# Altium PCB 10515.0500_Display_System（6拼版）_V1.0_20200907.PcbDoc (part 7 of 13) (continued)
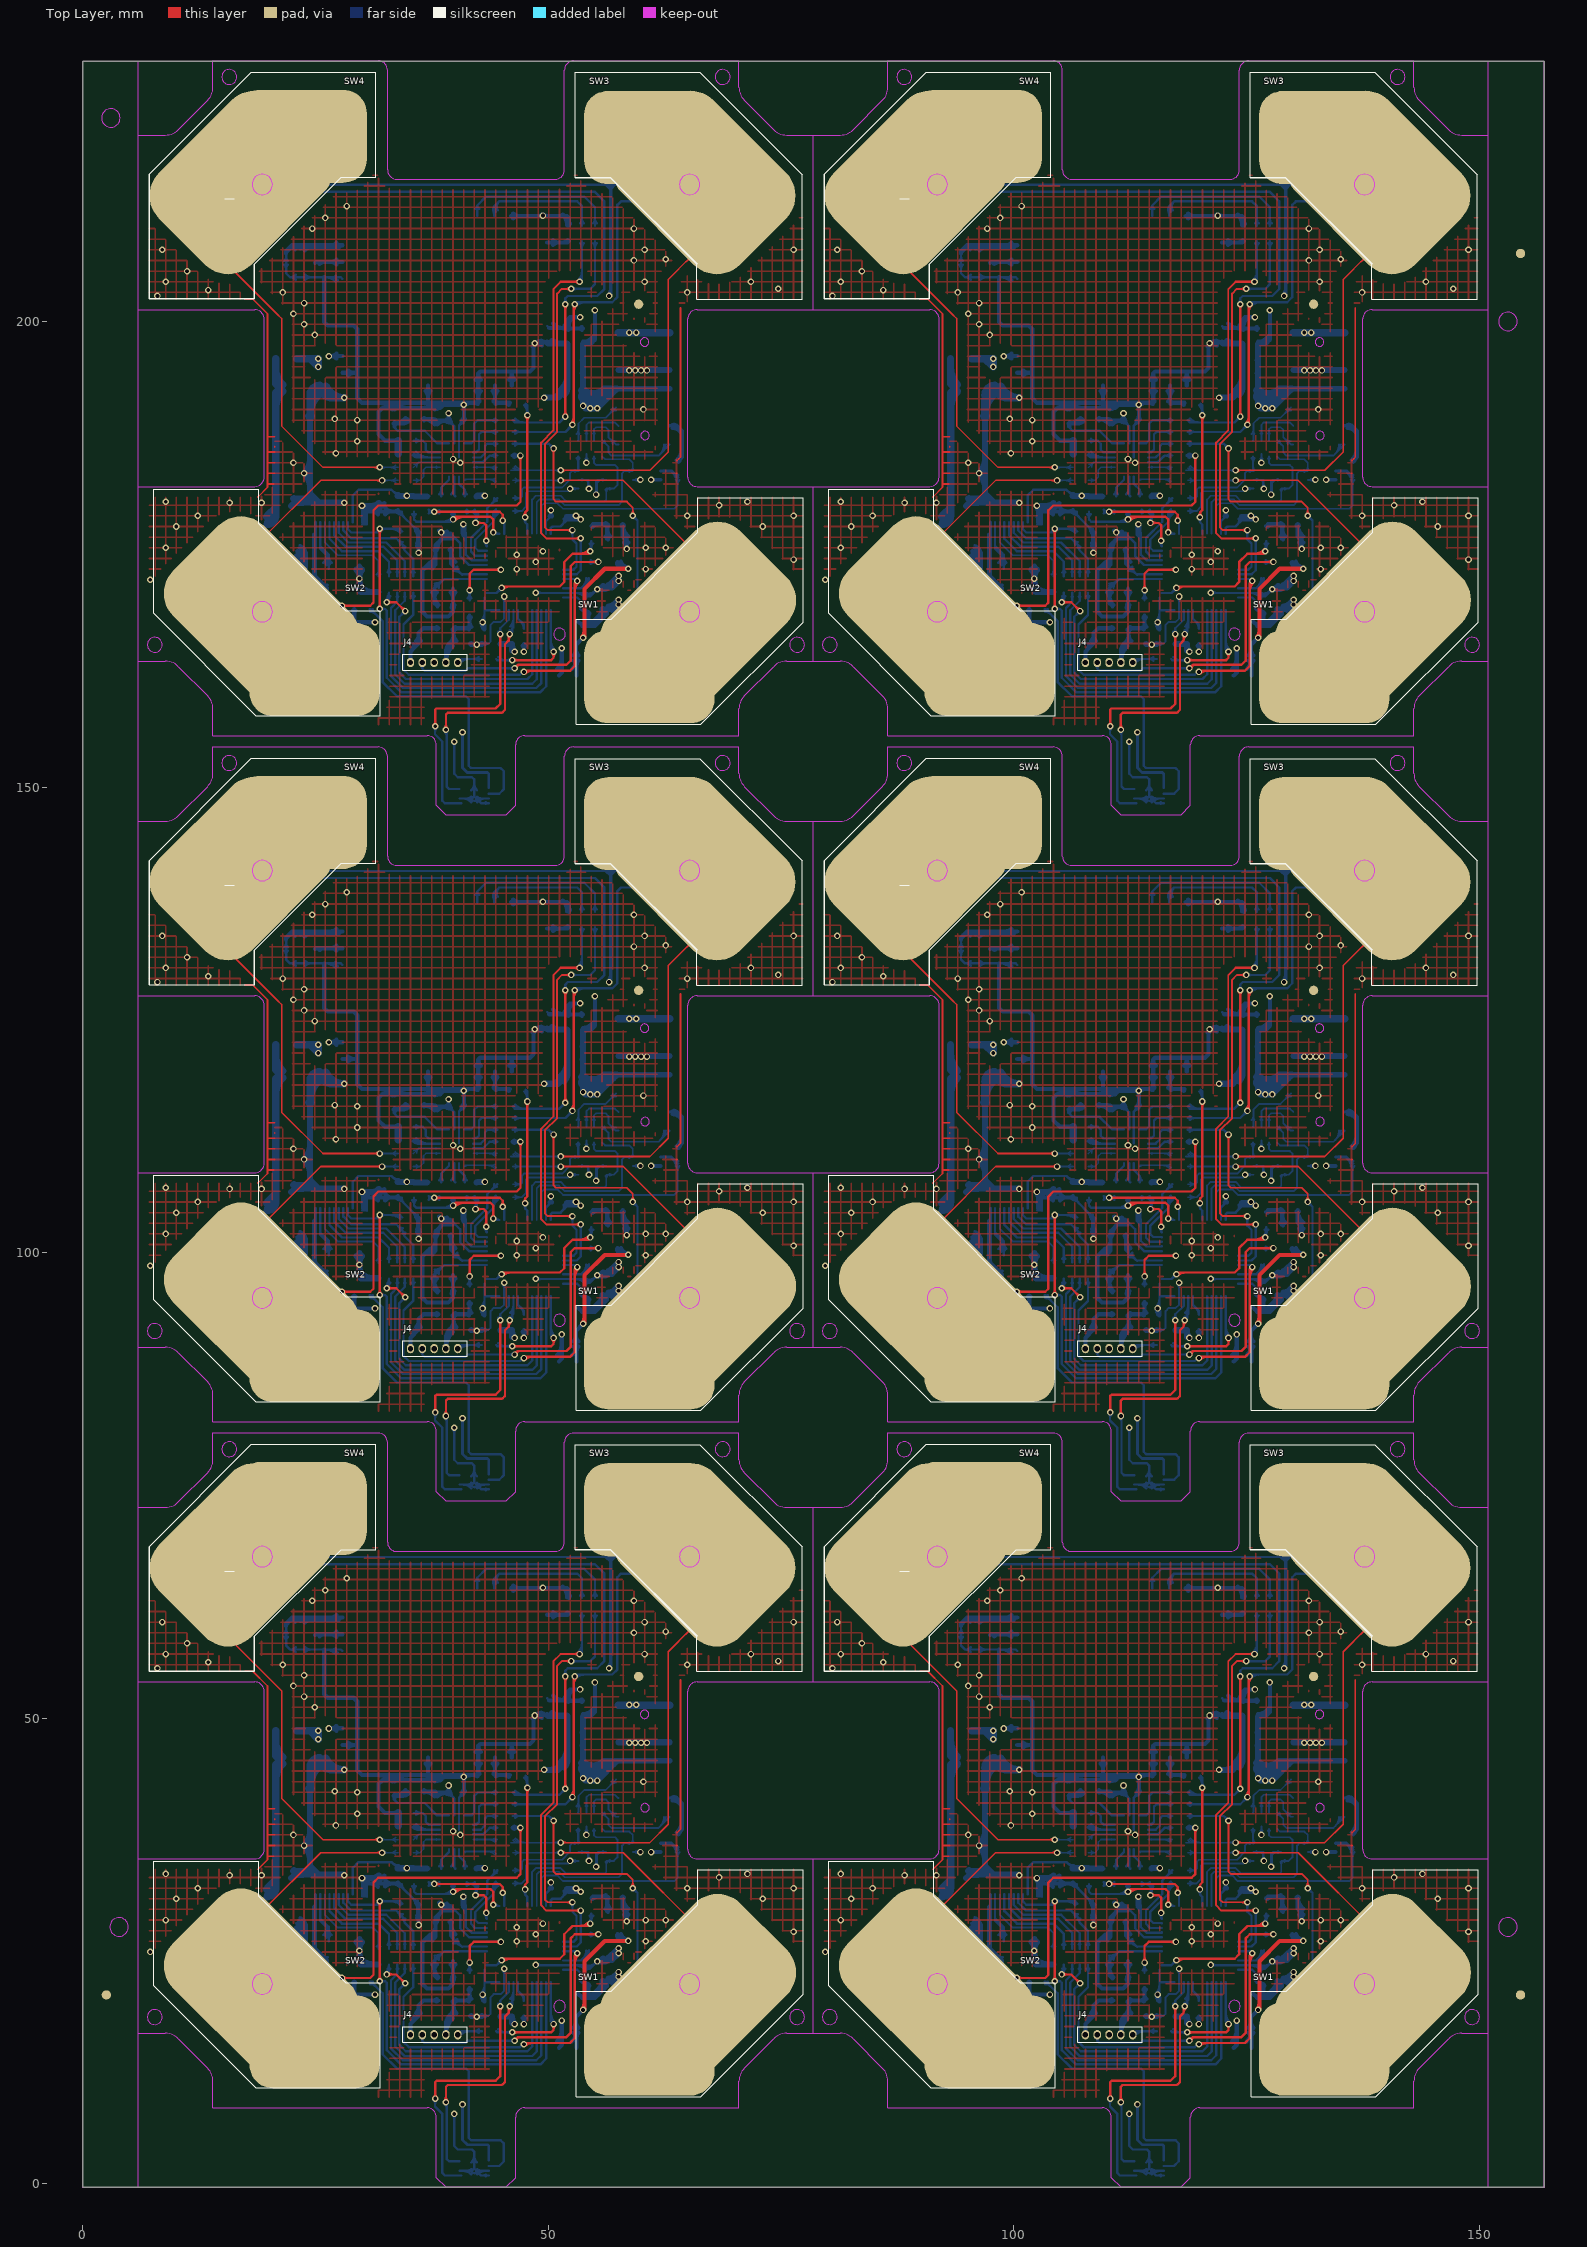
[diagram p0: Top Layer view]
## Nets (pads, with @x,y where several pads share a name; then routed paths per layer and width w, separated by ;. In a path a pad name is that pad's centre, name@x,y a point inside that pad or via, vN(x,y) a via of type N, cw(c..) or ccw(c..) an arc to the next point about the centre after c; other vN are vias at no path point) (continued)
62.178,21.463 ccw(c62.178,22.694) 63.049,21.824 ; 63.049,66.949 ccw(c62.178,66.079) 62.178,67.31 ccw(c62.178,68.541) 63.049,67.671 ; 63.049,94.802 ccw(c62.178,93.932) 62.178,95.163 ccw(c62.178,96.394) 63.049,95.524 ; 63.049,140.649 ccw(c62.178,139.779) 62.178,141.01 ccw(c62.178,142.241) 63.049,141.371 ; 63.049,168.502 ccw(c62.178,167.632) 62.178,168.863 ccw(c62.178,170.094) 63.049,169.224 ; 63.049,214.349 ccw(c62.178,213.479) 62.178,214.71 ccw(c62.178,215.941) 63.049,215.071 ; 63.282,21.463 58.583,21.463 ; 63.282,95.163 58.583,95.163 ; 63.282,168.863 58.583,168.863 ; 63.409,67.31 56.805,67.31 ; 63.409,141.01 56.805,141.01 ; 63.409,214.71 56.805,214.71 ; 66.605,21.951 ccw(c65.734,22.821) 66.965,22.821 ccw(c68.197,22.821) 67.326,21.951 ; 66.605,95.651 ccw(c65.734,96.521) 66.965,96.521 ccw(c68.197,96.521) 67.326,95.651 ; 66.605,169.351 ccw(c65.734,170.221) 66.965,170.221 ccw(c68.197,170.221) 67.326,169.351 ; 66.661,66.774 cw(c66.208,66.167) 66.965,66.167 ; 66.661,140.474 cw(c66.208,139.867) 66.965,139.867 ; 66.661,214.174 cw(c66.208,213.567) 66.965,213.567 ; 66.965,67.31 66.965,66.167 ; 66.965,141.01 66.965,139.867 ; 66.965,214.71 66.965,213.567 ; 67.27,66.774 ccw(c67.722,66.167) 66.965,66.167 ; 67.27,140.474 ccw(c67.722,139.867) 66.965,139.867 ; 67.27,214.174 ccw(c67.722,213.567) 66.965,213.567 ; 89.935,66.929 89.935,68.072 90.697,68.834 94.634,68.834 ; 89.935,140.629 89.935,141.772 90.697,142.534 94.634,142.534 ; 89.935,214.329 89.935,215.472 90.697,216.234 94.634,216.234 ; 93.491,21.463 99.714,21.463 v1(100.349,22.098) ; 93.491,66.929 93.872,66.929 94.253,66.548 127.527,66.548 128.543,65.532 128.543,56.134 127.781,55.372 124.606,55.372 124.352,55.118 v1(124.352,54.483) ; 93.491,95.163 99.714,95.163 v1(100.349,95.798) ; 93.491,140.629 93.872,140.629 94.253,140.248 127.527,140.248 128.543,139.232 128.543,129.834 127.781,129.072 124.606,129.072 124.352,128.818 v1(124.352,128.183) ; 93.491,168.863 99.714,168.863 v1(100.349,169.498) ; 93.491,214.329 93.872,214.329 94.253,213.948 127.527,213.948 128.543,212.932 128.543,203.534 127.781,202.772 124.606,202.772 124.352,202.518 v1(124.352,201.883) ; 93.608,66.686 cw(c93.781,65.949) 94.317,66.485 ; 93.608,140.386 cw(c93.781,139.649) 94.317,140.185 ; 93.608,214.086 cw(c93.781,213.349) 94.317,213.885 ; 93.852,21.102 cw(c94.723,20.232) 94.723,21.463 cw(c94.723,22.694) 93.852,21.824 ; 93.852,94.802 cw(c94.723,93.932) 94.723,95.163 cw(c94.723,96.394) 93.852,95.524 ; 93.852,168.502 cw(c94.723,167.632) 94.723,168.863 cw(c94.723,170.094) 93.852,169.224 ; 94.001,67.183 ccw(c94.926,67.183) 94.272,66.529 ; 94.001,140.883 ccw(c94.926,140.883) 94.272,140.229 ; 94.001,214.583 ccw(c94.926,214.583) 94.272,213.929 ; 94.16,58.734 cw(c93.69,58.264) 94.354,58.264 cw(c95.018,58.264) 94.549,58.734 ; 94.16,59.122 ccw(c93.69,59.592) 94.354,59.592 ccw(c95.018,59.592) 94.549,59.122 ; 94.16,132.434 cw(c93.69,131.964) 94.354,131.964 cw(c95.018,131.964) 94.549,132.434 ; 94.16,132.822 ccw(c93.69,133.292) 94.354,133.292 ccw(c95.018,133.292) 94.549,132.822 ; 94.16,206.134 cw(c93.69,205.664) 94.354,205.664 cw(c95.018,205.664) 94.549,206.134 ; 94.16,206.522 ccw(c93.69,206.992) 94.354,206.992 ccw(c95.018,206.992) 94.549,206.522 ; 95.352,60.256 ccw(c94.914,59.935) 94.914,60.478 ; 95.352,60.7 cw(c94.914,61.021) 94.914,60.478 ; 95.352,133.956 ccw(c94.914,133.635) 94.914,134.178 ; 95.352,134.4 cw(c94.914,134.721) 94.914,134.178 ; 95.352,207.656 ccw(c94.914,207.335) 94.914,207.878 ; 95.352,208.1 cw(c94.914,208.421) 94.914,207.878 ; 95.381,57.121 ccw(c94.787,56.563) 94.787,57.378 ; 95.381,57.635 cw(c94.787,58.193) 94.787,57.378 ; 95.381,130.821 ccw(c94.787,130.263) 94.787,131.078 ; 95.381,131.335 cw(c94.787,131.893) 94.787,131.078 ; 95.381,204.521 ccw(c94.787,203.963) 94.787,204.778 ; 95.381,205.035 cw(c94.787,205.593) 94.787,204.778 ; 96.412,67.31 94.888,68.834 94.634,68.834 ; 96.412,141.01 94.888,142.534 94.634,142.534 ; 96.412,214.71 94.888,216.234 94.634,216.234 ; 96.419,57.113 cw(c97.06,56.473) 97.06,57.378 cw(c97.06,58.283) 96.419,57.643 ; 96.419,60.213 cw(c97.06,59.573) 97.06,60.478 cw(c97.06,61.383) 96.419,60.743 ; 96.419,130.813 cw(c97.06,130.173) 97.06,131.078 cw(c97.06,131.983) 96.419,131.343 ; 96.419,133.913 cw(c97.06,133.273) 97.06,134.178 cw(c97.06,135.083) 96.419,134.443 ; 96.419,204.513 cw(c97.06,203.873) 97.06,204.778 cw(c97.06,205.683) 96.419,205.043 ; 96.419,207.613 cw(c97.06,206.973) 97.06,207.878 cw(c97.06,208.783) 96.419,208.143 ; 97.508,31.076 97.508,25.32 98.546,24.282 98.8,24.282 ; 97.508,104.776 97.508,99.02 98.546,97.982 98.8,97.982 ; 97.508,178.476 97.508,172.72 98.546,171.682 98.8,171.682 ; 97.518,25.31 cw(c95.932,23.724) 98.175,23.724 ; 97.518,99.01 cw(c95.932,97.424) 98.175,97.424 ; 97.518,172.71 cw(c95.932,171.124) 98.175,171.124 ; 97.682,45.466 98.088,45.466 ; 97.682,119.166 98.088,119.166 ; 97.682,192.866 98.088,192.866 ; 97.945,24.883 cw(c96.785,23.724) 98.425,23.724 ; 97.945,98.583 cw(c96.785,97.424) 98.425,97.424 ; 97.945,172.283 cw(c96.785,171.124) 98.425,171.124 ; 98.008,31.076 98.008,28.503 ; 98.008,104.776 98.008,102.203 ; 98.008,178.476 98.008,175.903 ; 98.09,60.478 ccw(c98.09,62.772) 99.712,61.15 ; 98.09,134.178 ccw(c98.09,136.472) 99.712,134.85 ; 98.09,207.878 ccw(c98.09,210.172) 99.712,208.55 ; 98.253,24.575 ccw(c98.8,25.123) 98.8,24.349 ; 98.253,98.275 ccw(c98.8,98.823) 98.8,98.049 ; 98.253,171.975 ccw(c98.8,172.523) 98.8,171.749 ; 98.358,26.706 ccw(c97.538,27.526) 98.698,27.526 ; 98.358,100.406 ccw(c97.538,101.226) 98.698,101.226 ; 98.358,174.106 ccw(c97.538,174.926) 98.698,174.926 ; 98.372,24.457 cw(c97.639,23.724) 98.675,23.724 ; 98.372,98.157 cw(c97.639,97.424) 98.675,97.424 ; 98.372,171.857 cw(c97.639,171.124) 98.675,171.124 ; 98.506,26.815 ccw(c98.109,27.559) 98.952,27.559 ; 98.506,57.378 cw(c98.506,55.671) 99.712,56.878 ; 98.506,100.515 ccw(c98.109,101.259) 98.952,101.259 ; 98.506,131.078 cw(c98.506,129.371) 99.712,130.578 ; 98.506,174.215 ccw(c98.109,174.959) 98.952,174.959 ; 98.506,204.778 cw(c98.506,203.071) 99.712,204.278 ; 98.624,26.594 ccw(c98.331,27.142) 98.952,27.142 ; 98.624,100.294 ccw(c98.331,100.842) 98.952,100.842 ; 98.624,173.994 ccw(c98.331,174.542) 98.952,174.542 ; 98.694,60.478 ccw(c98.694,62.168) 99.889,60.973 ; 98.694,134.178 ccw(c98.694,135.868) 99.889,134.673 ; 98.694,207.878 ccw(c98.694,209.568) 99.889,208.373 ; 98.698,26.416 98.698,27.813 ; 98.698,27.28 ccw(c99.645,27.28) 99.04,26.552 ; 98.698,27.559 98.008,28.249 98.008,28.503 ; 98.698,100.116 98.698,101.513 ; 98.698,100.98 ccw(c99.645,100.98) 99.04,100.252 ; 98.698,101.259 98.008,101.949 98.008,102.203 ; 98.698,173.816 98.698,175.213 ; 98.698,174.68 ccw(c99.645,174.68) 99.04,173.952 ; 98.698,174.959 98.008,175.649 98.008,175.903 ; 98.952,26.035 98.952,27.559 ; 98.952,27.406 ccw(c99.942,27.406) 99.242,26.706 ; 98.952,99.735 98.952,101.259 ; 98.952,101.106 ccw(c99.942,101.106) 99.242,100.406 ; 98.952,173.435 98.952,174.959 ; 98.952,174.806 ccw(c99.942,174.806) 99.242,174.106 ; 99.008,31.076 99.008,29.281 100.349,27.94 104.286,27.94 105.399,26.827 105.399,25.249 ; 99.008,104.776 99.008,102.981 100.349,101.64 104.286,101.64 105.399,100.527 105.399,98.949 ; 99.008,178.476 99.008,176.681 100.349,175.34 104.286,175.34 105.399,174.227 105.399,172.649 ; 99.109,57.378 cw(c99.109,56.275) 99.889,57.055 ; 99.109,131.078 cw(c99.109,129.975) 99.889,130.755 ; 99.109,204.778 cw(c99.109,203.675) 99.889,204.455 ; 99.2,26.744 cw(c100.088,27.813) 98.698,27.813 ; 99.2,100.444 cw(c100.088,101.513) 98.698,101.513 ; 99.2,174.144 cw(c100.088,175.213) 98.698,175.213 ; 99.297,57.378 ccw(c99.297,57.965) 99.712,57.55 ; 99.297,60.478 ccw(c99.297,61.565) 100.066,60.796 ; 99.297,131.078 ccw(c99.297,131.665) 99.712,131.25 ; 99.297,134.178 ccw(c99.297,135.265) 100.066,134.496 ; 99.297,204.778 ccw(c99.297,205.365) 99.712,204.95 ; 99.297,207.878 ccw(c99.297,208.965) 100.066,208.196 ; 99.508,31.076 99.508,29.67 100.73,28.448 104.794,28.448 106.299,26.943 106.299,25.249 ; 99.508,104.776 99.508,103.37 100.73,102.148 104.794,102.148 106.299,100.643 106.299,98.949 ; 99.508,178.476 99.508,177.07 100.73,175.848 104.794,175.848 106.299,174.343 106.299,172.649 ; 100.008,31.076 100.008,29.932 101.042,28.898 105.106,28.898 107.099,26.905 107.099,25.249 ; 100.008,104.776 100.008,103.632 101.042,102.598 105.106,102.598 107.099,100.605 107.099,98.949 ; 100.008,178.476 100.008,177.332 101.042,176.298 105.106,176.298 107.099,174.305 107.099,172.649 ; v1@100.124,22.098 cw(c99.581,22.098) 99.965,21.714 cw(c100.349,21.33) v1@100.349,21.873 ; v1@100.124,95.798 cw(c99.581,95.798) 99.965,95.414 cw(c100.349,95.03) v1@100.349,95.573 ; v1@100.124,169.498 cw(c99.581,169.498) 99.965,169.114 cw(c100.349,168.73) v1@100.349,169.273 ; 100.312,58.928 100.398,59.014 ; 100.312,132.628 100.398,132.714 ; 100.312,206.328 100.398,206.414 ; 100.398,57.214 100.234,57.378 98.444,57.378 95.904,57.378 94.787,57.378 ; 100.398,60.814 100.062,60.478 95.904,60.478 94.914,60.478 ; 100.398,130.914 100.234,131.078 98.444,131.078 95.904,131.078 94.787,131.078 ; 100.398,134.514 100.062,134.178 95.904,134.178 94.914,134.178 ; 100.398,204.614 100.234,204.778 98.444,204.778 95.904,204.778 94.787,204.778 ; 100.398,208.214 100.062,207.878 95.904,207.878 94.914,207.878 ; 100.508,31.076 100.508,30.18 101.34,29.348 106.18,29.348 107.08,28.448 107.08,28.067 107.999,27.148 107.999,25.249 ; 100.508,104.776 100.508,103.88 101.34,103.048 106.18,103.048 107.08,102.148 107.08,101.767 107.999,100.848 107.999,98.949 ; 100.508,178.476 100.508,177.58 101.34,176.748 106.18,176.748 107.08,175.848 107.08,175.467 107.999,174.548 107.999,172.649 ; 101.008,31.076 101.008,30.316 101.353,29.972 104.032,29.972 ; 101.008,104.776 101.008,104.016 101.353,103.672 104.032,103.672 ; 101.008,178.476 101.008,177.716 101.353,177.372 104.032,177.372 ; 101.508,31.076 101.508,33.925 102.127,34.544 105.683,34.544 106.344,33.884 ; 101.508,104.776 101.508,107.625 102.127,108.244 105.683,108.244 106.344,107.584 ; 101.508,178.476 101.508,181.325 102.127,181.944 105.683,181.944 106.344,181.284 ; v1@102.451,32.608 cw(c102.344,32.204) 102.762,32.204 ; v1@102.451,106.308 cw(c102.344,105.904) 102.762,105.904 ; v1@102.451,180.008 cw(c102.344,179.604) 102.762,179.604 ; 102.497,31.598 ccw(c102.267,32.037) 102.762,32.037 ; 102.497,105.298 ccw(c102.267,105.737) 102.762,105.737 ; 102.497,178.998 ccw(c102.267,179.437) 102.762,179.437 ; 102.508,30.861 103.016,30.861 ; v1@102.508,32.601 cw(c102.508,32.058) 102.892,32.442 cw(c103.276,32.826) v1@102.733,32.826 ; v1(102.508,32.826) 102.508,31.076 ; 102.508,104.561 103.016,104.561 ; v1@102.508,106.301 cw(c102.508,105.758) 102.892,106.142 cw(c103.276,106.526) v1@102.733,106.526 ; v1(102.508,106.526) 102.508,104.776 ; 102.508,178.261 103.016,178.261 ; v1@102.508,180.001 cw(c102.508,179.458) 102.892,179.842 cw(c103.276,180.226) v1@102.733,180.226 ; v1(102.508,180.226) 102.508,178.476 ; v1@102.515,32.85 cw(c102.43,32.529) 102.762,32.529 ; v1@102.515,106.55 cw(c102.43,106.229) 102.762,106.229 ; v1@102.515,180.25 cw(c102.43,179.929) 102.762,179.929 ; 102.517,31.053 cw(c102.648,30.708) 102.909,30.969 ; 102.517,104.753 cw(c102.648,104.408) 102.909,104.669 ; 102.517,178.453 cw(c102.648,178.108) 102.909,178.369 ; v1@102.526,32.844 cw(c102.168,32.486) 102.674,32.486 ; v1@102.526,106.544 cw(c102.168,106.186) 102.674,106.186 ; v1@102.526,180.244 cw(c102.168,179.886) 102.674,179.886 ; 102.613,31.377 ccw(c102.483,31.624) 102.762,31.624 ; 102.613,105.077 ccw(c102.483,105.324) 102.762,105.324 ; 102.613,178.777 ccw(c102.483,179.024) 102.762,179.024 ; v1@102.667,32.667 ccw(c103.051,32.283) 102.508,32.283 ccw(c101.965,32.283) 102.349,32.667 cw(c101.564,31.882) 102.674,31.882 ; v1@102.667,106.367 ccw(c103.051,105.983) 102.508,105.983 ccw(c101.965,105.983) 102.349,106.367 cw(c101.564,105.582) 102.674,105.582 ; v1@102.667,180.067 ccw(c103.051,179.683) 102.508,179.683 ccw(c101.965,179.683) 102.349,180.067 cw(c101.564,179.282) 102.674,179.282 ; 102.674,31.434 cw(c102.651,31.434) 102.667,31.417 ccw(c102.438,31.646) 102.762,31.646 ; 102.674,32.037 cw(c102.047,32.037) 102.491,31.594 ccw(c101.835,32.25) 102.762,32.25 ; 102.674,105.134 cw(c102.651,105.134) 102.667,105.117 ccw(c102.438,105.346) 102.762,105.346 ; 102.674,105.737 cw(c102.047,105.737) 102.491,105.294 ccw(c101.835,105.95) 102.762,105.95 ; 102.674,178.834 cw(c102.651,178.834) 102.667,178.817 ccw(c102.438,179.046) 102.762,179.046 ; 102.674,179.437 cw(c102.047,179.437) 102.491,178.994 ccw(c101.835,179.65) 102.762,179.65 ; 102.729,31.155 ccw(c102.699,31.211) 102.762,31.211 ; 102.729,104.855 ccw(c102.699,104.911) 102.762,104.911 ; 102.729,178.555 ccw(c102.699,178.611) 102.762,178.611 ; 102.762,32.004 103.397,32.639 ; 102.762,105.704 103.397,106.339 ; 102.762,179.404 103.397,180.039 ; 102.834,30.916 ccw(c102.508,30.59) 102.508,31.051 cw(c102.508,30.283) 103.051,30.826 ; 102.834,104.616 ccw(c102.508,104.29) 102.508,104.751 cw(c102.508,103.983) 103.051,104.526 ; 102.834,178.316 ccw(c102.508,177.99) 102.508,178.451 cw(c102.508,177.683) 103.051,178.226 ; 102.889,32.258 102.889,30.861 102.674,31.076 ; 102.889,105.958 102.889,104.561 102.674,104.776 ; 102.889,179.658 102.889,178.261 102.674,178.476 ; 103.016,32.318 102.762,32.572 ; 103.016,32.826 103.016,30.861 ; 103.016,106.018 102.762,106.272 ; 103.016,106.526 103.016,104.561 ; 103.016,179.718 102.762,179.972 ; 103.016,180.226 103.016,178.261 ; 103.143,32.639 102.762,32.258 ; 103.143,106.339 102.762,105.958 ; 103.143,180.039 102.762,179.658 ; 103.334,21.717 103.463,21.717 104.725,20.455 104.725,13.912 106.271,12.366 113.684,12.366 113.978,12.072 113.978,4.913 114.225,4.666 117.4,4.666 117.748,4.318 117.748,2.413 117.24,1.905 116.13,1.905 ; 103.334,95.417 103.463,95.417 104.725,94.155 104.725,87.612 106.271,86.066 113.684,86.066 113.978,85.772 113.978,78.613 114.225,78.366 117.4,78.366 117.748,78.018 117.748,76.113 117.24,75.605 116.13,75.605 ; 103.334,169.117 103.463,169.117 104.725,167.855 104.725,161.312 106.271,159.766 113.684,159.766 113.978,159.472 113.978,152.313 114.225,152.066 117.4,152.066 117.748,151.718 117.748,149.813 117.24,149.305 116.13,149.305 ; 103.372,21.436 cw(c103.372,20.537) 104.008,21.172 ; 103.372,95.136 cw(c103.372,94.237) 104.008,94.872 ; 103.372,168.836 cw(c103.372,167.937) 104.008,168.572 ; 103.653,21.717 ccw(c104.113,21.717) 103.788,21.392 ; 103.653,95.417 ccw(c104.113,95.417) 103.788,95.092 ; 103.653,169.117 ccw(c104.113,169.117) 103.788,168.792 ; v1@104.188,30.352 cw(c103.656,30.349) 104.032,29.972 ; v1@104.188,104.052 cw(c103.656,104.049) 104.032,103.672 ; v1@104.188,177.752 cw(c103.656,177.749) 104.032,177.372 ; v1@104.305,30.156 cw(c104.203,29.972) 104.413,29.972 ; v1@104.305,103.856 cw(c104.203,103.672) 104.413,103.672 ; v1@104.305,177.556 cw(c104.203,177.372) 104.413,177.372 ; v1@104.412,30.128 ccw(c104.409,29.595) 104.032,29.972 ; v1@104.412,103.828 ccw(c104.409,103.295) 104.032,103.672 ; v1@104.412,177.528 ccw(c104.409,176.995) 104.032,177.372 ; v1(104.413,21.752) 105.013,21.752 105.175,21.59 105.175,14.351 106.71,12.816 121.674,12.816 122.299,13.44 122.299,21.598 122.274,21.623 ; v1(104.413,95.452) 105.013,95.452 105.175,95.29 105.175,88.051 106.71,86.516 121.674,86.516 122.299,87.14 122.299,95.298 122.274,95.323 ; v1(104.413,169.152) 105.013,169.152 105.175,168.99 105.175,161.751 106.71,160.216 121.674,160.216 122.299,160.84 122.299,168.998 122.274,169.023 ; v1@104.522,30.156 ccw(c104.623,29.972) 104.413,29.972 ; v1@104.522,103.856 ccw(c104.623,103.672) 104.413,103.672 ; v1@104.522,177.556 ccw(c104.623,177.372) 104.413,177.372 ; v1@104.572,21.593 cw(c104.956,21.209) 104.956,21.752 cw(c104.956,22.296) v1@104.572,21.912 ; v1@104.572,30.194 cw(c104.956,29.81) 104.956,30.353 cw(c104.956,30.896) v1@104.572,30.512 ; v1@104.572,95.293 cw(c104.956,94.909) 104.956,95.452 cw(c104.956,95.996) v1@104.572,95.612 ; v1@104.572,103.894 cw(c104.956,103.51) 104.956,104.053 cw(c104.956,104.596) v1@104.572,104.212 ; v1@104.572,168.993 cw(c104.956,168.609) 104.956,169.152 cw(c104.956,169.696) v1@104.572,169.312 ; v1@104.572,177.594 cw(c104.956,177.21) 104.956,177.753 cw(c104.956,178.296) v1@104.572,177.912 ; 104.794,30.353 104.413,29.972 ; 104.794,104.053 104.413,103.672 ; 104.794,177.753 104.413,177.372 ; v1@105.021,22.643 ccw(c104.195,23.519) 105.399,23.519 105.399,22.703 v1(105.175,22.479) ; v1@105.021,96.343 ccw(c104.195,97.219) 105.399,97.219 105.399,96.403 v1(105.175,96.179) ; v1@105.021,170.043 ccw(c104.195,170.919) 105.399,170.919 105.399,170.103 v1(105.175,169.879) ; v1@105.192,22.461 ccw(c104.741,22.94) 105.399,22.94 ; v1@105.192,96.161 ccw(c104.741,96.64) 105.399,96.64 ; v1@105.192,169.861 ccw(c104.741,170.34) 105.399,170.34 ; 105.24,23.11 cw(c104.856,22.726) 105.399,22.726 cw(c105.942,22.726) 105.558,23.11 ; 105.24,25.658 ccw(c104.856,26.042) 105.399,26.042 ccw(c105.942,26.042) 105.558,25.658 ; 105.24,96.81 cw(c104.856,96.426) 105.399,96.426 cw(c105.942,96.426) 105.558,96.81 ; 105.24,99.358 ccw(c104.856,99.742) 105.399,99.742 ccw(c105.942,99.742) 105.558,99.358 ; 105.24,170.51 cw(c104.856,170.126) 105.399,170.126 cw(c105.942,170.126) 105.558,170.51 ; 105.24,173.058 ccw(c104.856,173.442) 105.399,173.442 ccw(c105.942,173.442) 105.558,173.058 ; 105.559,30.353 cw(c105.559,28.806) 106.653,29.9 ; 105.559,104.053 cw(c105.559,102.506) 106.653,103.6 ; 105.559,177.753 cw(c105.559,176.206) 106.653,177.3 ; 105.778,34.449 ccw(c106.385,35.056) 106.468,34.202 ; 105.778,108.149 ccw(c106.385,108.756) 106.468,107.902 ; 105.778,181.849 ccw(c106.385,182.456) 106.468,181.602 ; 105.887,41.681 105.887,41.325 106.318,40.894 109.239,40.894 110.573,39.56 111.856,39.56 ; 105.887,115.381 105.887,115.025 106.318,114.594 109.239,114.594 110.573,113.26 111.856,113.26 ; 105.887,189.081 105.887,188.725 106.318,188.294 109.239,188.294 110.573,186.96 111.856,186.96 ; 106.119,41.484 ccw(c106.399,41.293) 106.159,41.053 ; 106.119,115.184 ccw(c106.399,114.993) 106.159,114.753 ; 106.119,188.884 ccw(c106.399,188.693) 106.159,188.453 ; 106.163,30.353 cw(c106.163,29.41) 106.829,30.077 ; 106.163,104.053 cw(c106.163,103.11) 106.829,103.777 ; 106.163,177.753 cw(c106.163,176.81) 106.829,177.477 ; 106.211,23.081 cw(c105.997,22.867) 106.299,22.867 cw(c106.601,22.867) 106.388,23.081 ; 106.211,25.687 ccw(c105.997,25.901) 106.299,25.901 ccw(c106.601,25.901) 106.388,25.687 ; 106.211,96.781 cw(c105.997,96.567) 106.299,96.567 cw(c106.601,96.567) 106.388,96.781 ; 106.211,99.387 ccw(c105.997,99.601) 106.299,99.601 ccw(c106.601,99.601) 106.388,99.387 ; 106.211,170.481 cw(c105.997,170.267) 106.299,170.267 cw(c106.601,170.267) 106.388,170.481 ; 106.211,173.087 ccw(c105.997,173.301) 106.299,173.301 ccw(c106.601,173.301) 106.388,173.087 ; 106.299,23.519 106.299,22.529 105.625,21.855 105.625,14.537 106.897,13.266 121.235,13.266 121.774,13.804 121.774,21.623 ; 106.299,97.219 106.299,96.229 105.625,95.555 105.625,88.237 106.897,86.966 121.235,86.966 121.774,87.504 121.774,95.323 ; 106.299,170.919 106.299,169.929 105.625,169.255 105.625,161.937 106.897,160.666 121.235,160.666 121.774,161.204 121.774,169.023 ; 106.386,29.142 ccw(c106.89,29.645) 106.89,28.933 ; 106.386,102.842 ccw(c106.89,103.345) 106.89,102.633 ; 106.386,176.542 ccw(c106.89,177.045) 106.89,176.333 ; 106.419,29.109 cw(c105.962,28.652) 106.608,28.652 ; 106.419,102.809 cw(c105.962,102.352) 106.608,102.352 ; 106.419,176.509 cw(c105.962,176.052) 106.608,176.052 ; 106.495,31.913 cw(c106.495,31.354) 106.89,31.749 ; 106.495,32.233 106.495,32.145 108.541,30.099 ; 106.495,105.613 cw(c106.495,105.054) 106.89,105.449 ; 106.495,105.933 106.495,105.845 108.541,103.799 ; 106.495,179.313 cw(c106.495,178.754) 106.89,179.149 ; 106.495,179.633 106.495,179.544 108.541,177.499 ; 106.636,30.353 v1(104.413,30.353) 104.032,29.972 ; 106.636,104.053 v1(104.413,104.053) 104.032,103.672 ; 106.636,177.753 v1(104.413,177.753) 104.032,177.372 ; 106.777,32.194 ccw(c107.577,32.194) 107.011,31.629 ; 106.777,105.894 ccw(c107.577,105.894) 107.011,105.329 ; 106.777,179.594 ccw(c107.577,179.594) 107.011,179.029 ; 106.857,28.393 cw(c106.715,28.056) 107.08,28.056 ; 106.857,102.093 cw(c106.715,101.756) 107.08,101.756 ; 106.857,175.793 cw(c106.715,175.456) 107.08,175.456 ; v1@106.919,21.526 cw(c106.376,21.526) 106.76,21.142 cw(c107.144,20.758) v1@107.144,21.301 ; v1@106.919,95.226 cw(c106.376,95.226) 106.76,94.842 cw(c107.144,94.458) v1@107.144,95.001 ; v1@106.919,168.926 cw(c106.376,168.926) 106.76,168.542 cw(c107.144,168.158) v1@107.144,168.701 ; 107.011,23.081 cw(c106.797,22.867) 107.099,22.867 cw(c107.401,22.867) 107.188,23.081 ; 107.011,25.687 ccw(c106.797,25.901) 107.099,25.901 ccw(c107.401,25.901) 107.188,25.687 ; 107.011,96.781 cw(c106.797,96.567) 107.099,96.567 cw(c107.401,96.567) 107.188,96.781 ; 107.011,99.387 ccw(c106.797,99.601) 107.099,99.601 ccw(c107.401,99.601) 107.188,99.387 ; 107.011,170.481 cw(c106.797,170.267) 107.099,170.267 cw(c107.401,170.267) 107.188,170.481 ; 107.011,173.087 ccw(c106.797,173.301) 107.099,173.301 ccw(c107.401,173.301) 107.188,173.087 ; 107.08,28.249 cw(c107.369,28.249) 107.165,28.453 ; 107.08,101.949 cw(c107.369,101.949) 107.165,102.153 ; 107.08,175.649 cw(c107.369,175.649) 107.165,175.853 ; 107.099,23.519 107.099,22.625 106.075,21.601 106.075,14.724 107.083,13.716 120.796,13.716 121.274,14.193 121.274,21.623 ; 107.099,97.219 107.099,96.325 106.075,95.301 106.075,88.424 107.083,87.416 120.796,87.416 121.274,87.893 121.274,95.323 ; 107.099,170.919 107.099,170.025 106.075,169.001 106.075,162.124 107.083,161.116 120.796,161.116 121.274,161.593 121.274,169.023 ; v1(107.144,21.526) 106.525,20.908 106.525,14.91 107.211,14.224 120.288,14.224 120.799,14.734 120.799,21.598 120.774,21.623 ; v1(107.144,95.226) 106.525,94.608 106.525,88.61 107.211,87.924 120.288,87.924 120.799,88.434 120.799,95.298 120.774,95.323 ; v1(107.144,168.926) 106.525,168.308 106.525,162.31 107.211,161.624 120.288,161.624 120.799,162.134 120.799,168.998 120.774,169.023 ; 107.84,23.11 cw(c107.456,22.726) 107.999,22.726 cw(c108.542,22.726) 108.158,23.11 ; 107.84,25.658 ccw(c107.456,26.042) 107.999,26.042 ccw(c108.542,26.042) 108.158,25.658 ; 107.84,96.81 cw(c107.456,96.426) 107.999,96.426 cw(c108.542,96.426) 108.158,96.81 ; 107.84,99.358 ccw(c107.456,99.742) 107.999,99.742 ccw(c108.542,99.742) 108.158,99.358 ; 107.84,170.51 cw(c107.456,170.126) 107.999,170.126 cw(c108.542,170.126) 108.158,170.51 ; 107.84,173.058 ccw(c107.456,173.442) 107.999,173.442 ccw(c108.542,173.442) 108.158,173.058 ; 107.897,31.957 cw(c107.417,31.477) 108.096,31.477 cw(c108.776,31.477) 108.295,31.957 ; 107.897,105.657 cw(c107.417,105.177) 108.096,105.177 cw(c108.776,105.177) 108.295,105.657 ; 107.897,179.357 cw(c107.417,178.877) 108.096,178.877 cw(c108.776,178.877) 108.295,179.357 ; 107.954,38.276 ccw(c108.572,38.894) 108.572,38.021 ; 107.954,111.976 ccw(c108.572,112.594) 108.572,111.721 ; 107.954,185.676 ccw(c108.572,186.294) 108.572,185.421 ; 107.995,30.644 cw(c107.45,30.099) 108.221,30.099 ; 107.995,104.344 cw(c107.45,103.799) 108.221,103.799 ; 107.995,178.044 cw(c107.45,177.499) 108.221,177.499 ; 107.999,23.519 107.999,21.112 106.975,20.088 106.975,15.218 107.519,14.674 119.468,14.674 v1@119.907,15.113 ; 107.999,97.219 107.999,94.812 106.975,93.788 106.975,88.918 107.519,88.374 119.468,88.374 v1@119.907,88.813 ; 107.999,170.919 107.999,168.512 106.975,167.488 106.975,162.618 107.519,162.074 119.468,162.074 v1@119.907,162.513 ; 108.071,38.431 108.481,38.021 110.89,38.021 ; 108.071,39.828 109.035,39.828 109.366,39.497 109.366,38.862 109.658,38.57 110.89,38.57 ; 108.071,112.131 108.481,111.721 110.89,111.721 ; 108.071,113.528 109.035,113.528 109.366,113.197 109.366,112.562 109.658,112.27 110.89,112.27 ; 108.071,185.831 108.481,185.421 110.89,185.421 ; 108.071,187.228 109.035,187.228 109.366,186.897 109.366,186.262 109.658,185.97 110.89,185.97 ; 108.087,30.552 ccw(c108.503,30.968) 108.503,30.38 ; 108.087,104.252 ccw(c108.503,104.668) 108.503,104.08 ; 108.087,177.952 ccw(c108.503,178.368) 108.503,177.78 ; 108.096,32.194 108.096,31.369 108.35,31.115 112.033,31.115 v1(112.287,31.369) 112.287,32.194 ; 108.096,105.894 108.096,105.069 108.35,104.815 112.033,104.815 v1(112.287,105.069) 112.287,105.894 ; 108.096,179.594 108.096,178.769 108.35,178.515 112.033,178.515 v1(112.287,178.769) 112.287,179.594 ; 108.131,38.453 ccw(c109.176,39.498) 109.176,38.021 ; 108.131,112.153 ccw(c109.176,113.198) 109.176,111.721 ; 108.131,185.853 ccw(c109.176,186.898) 109.176,185.421 ; 108.308,38.63 ccw(c109.779,40.101) 109.779,38.021 ; 108.308,39.629 cw(c108.788,39.149) 108.788,39.828 cw(c108.788,40.507) 108.308,40.027 ; 108.308,112.33 ccw(c109.779,113.801) 109.779,111.721 ; 108.308,113.329 cw(c108.788,112.849) 108.788,113.528 cw(c108.788,114.207) 108.308,113.727 ; 108.308,186.03 ccw(c109.779,187.501) 109.779,185.421 ; 108.308,187.029 cw(c108.788,186.549) 108.788,187.228 cw(c108.788,187.907) 108.308,187.427 ; 108.541,28.69 108.579,28.652 ; 108.541,102.39 108.579,102.352 ; 108.541,176.09 108.579,176.052 ; 108.825,15.678 cw(c108.602,15.367) 108.985,15.367 ; 108.825,89.378 cw(c108.602,89.067) 108.985,89.067 ; 108.825,163.078 cw(c108.602,162.767) 108.985,162.767 ; 108.985,16.002 108.985,15.367 ; 108.985,89.702 108.985,89.067 ; 108.985,163.402 108.985,162.767 ; 109.145,15.678 ccw(c109.368,15.367) 108.985,15.367 ; 109.145,89.378 ccw(c109.368,89.067) 108.985,89.067 ; 109.145,163.078 ccw(c109.368,162.767) 108.985,162.767 ; 109.455,33.884 109.709,33.884 109.747,33.846 ; 109.455,107.584 109.709,107.584 109.747,107.545 ; 109.455,181.284 109.709,181.284 109.747,181.245 ; 109.692,31.996 cw(c110.173,31.515) 110.173,32.194 cw(c110.173,32.874) 109.692,32.393 ; 109.692,105.696 cw(c110.173,105.215) 110.173,105.894 cw(c110.173,106.574) 109.692,106.093 ; 109.692,179.396 cw(c110.173,178.915) 110.173,179.594 cw(c110.173,180.274) 109.692,179.793 ; v1@110.089,32.043 ccw(c109.747,31.734) 109.747,32.194 ; v1@110.089,32.346 cw(c109.747,32.655) 109.747,32.194 ; v1@110.089,105.743 ccw(c109.747,105.434) 109.747,105.894 ; v1@110.089,106.046 cw(c109.747,106.355) 109.747,105.894 ; v1@110.089,179.443 ccw(c109.747,179.134) 109.747,179.594 ; v1@110.089,179.746 cw(c109.747,180.055) 109.747,179.594 ; v1@110.223,8.985 cw(c109.904,8.666) 110.355,8.666 ; v1@110.223,82.685 cw(c109.904,82.366) 110.355,82.366 ; v1@110.223,156.385 cw(c109.904,156.066) 110.355,156.066 ; 110.287,23.916 111.345,24.973 115.924,24.973 ; 110.287,24.241 ccw(c110.287,25.026) 110.842,24.471 ; 110.287,24.491 ccw(c110.287,25.879) 111.269,24.898 ; 110.287,97.616 111.345,98.673 115.924,98.673 ; 110.287,97.941 ccw(c110.287,98.726) 110.842,98.171 ; 110.287,98.191 ccw(c110.287,99.579) 111.269,98.598 ; 110.287,171.316 111.345,172.373 115.924,172.373 ; 110.287,171.641 ccw(c110.287,172.426) 110.842,171.871 ; 110.287,171.891 ccw(c110.287,173.279) 111.269,172.298 ; 110.355,8.536 cw(c110.99,8.536) v1@110.541,8.985 ; v1@110.355,9.144 110.355,8.282 111.144,7.493 111.144,1.143 111.398,0.889 113.176,0.889 ; 110.355,82.236 cw(c110.99,82.236) v1@110.541,82.685 ; v1@110.355,82.844 110.355,81.982 111.144,81.193 111.144,74.843 111.398,74.589 113.176,74.589 ; 110.355,155.936 cw(c110.99,155.936) v1@110.541,156.385 ; v1@110.355,156.544 110.355,155.682 111.144,154.893 111.144,148.543 111.398,148.289 113.176,148.289 ; 110.382,28.269 110.408,28.244 ; 110.382,101.969 110.408,101.944 ; 110.382,175.669 110.408,175.644 ; v1@110.414,32.035 cw(c110.798,31.651) 110.798,32.194 cw(c110.798,32.738) v1@110.414,32.354 ; v1@110.414,105.735 cw(c110.798,105.351) 110.798,105.894 cw(c110.798,106.438) v1@110.414,106.054 ; v1@110.414,179.435 cw(c110.798,179.051) 110.798,179.594 cw(c110.798,180.138) v1@110.414,179.754 ; 110.737,24.041 cw(c111.522,24.041) 110.967,24.596 ; 110.737,97.741 cw(c111.522,97.741) 110.967,98.296 ; 110.737,171.441 cw(c111.522,171.441) 110.967,171.996 ; 110.809,32.005 ccw(c110.382,31.619) v1@110.382,32.194 ; 110.809,32.384 cw(c110.382,32.77) v1@110.382,32.194 ; 110.809,105.705 ccw(c110.382,105.319) v1@110.382,105.894 ; 110.809,106.084 cw(c110.382,106.47) v1@110.382,105.894 ; 110.809,179.405 ccw(c110.382,179.019) v1@110.382,179.594 ; 110.809,179.784 cw(c110.382,180.17) v1@110.382,179.594